# Altium PCB PCB4.PcbDoc (part 4 of 12)
Units mil, origin at the board's own origin, x right, y up, seen from the top; angles counter-clockwise.
Board outline 9204.7 x 4350.39 mil, 4 copper layers (Top Layer, Layer 1, Layer 2, Bottom Layer), stack 23.756 mil thick; 1824 components, 1732 nets, 6090 pads, 1022 vias.
Unrouted connection lines stored in the file: 2463.
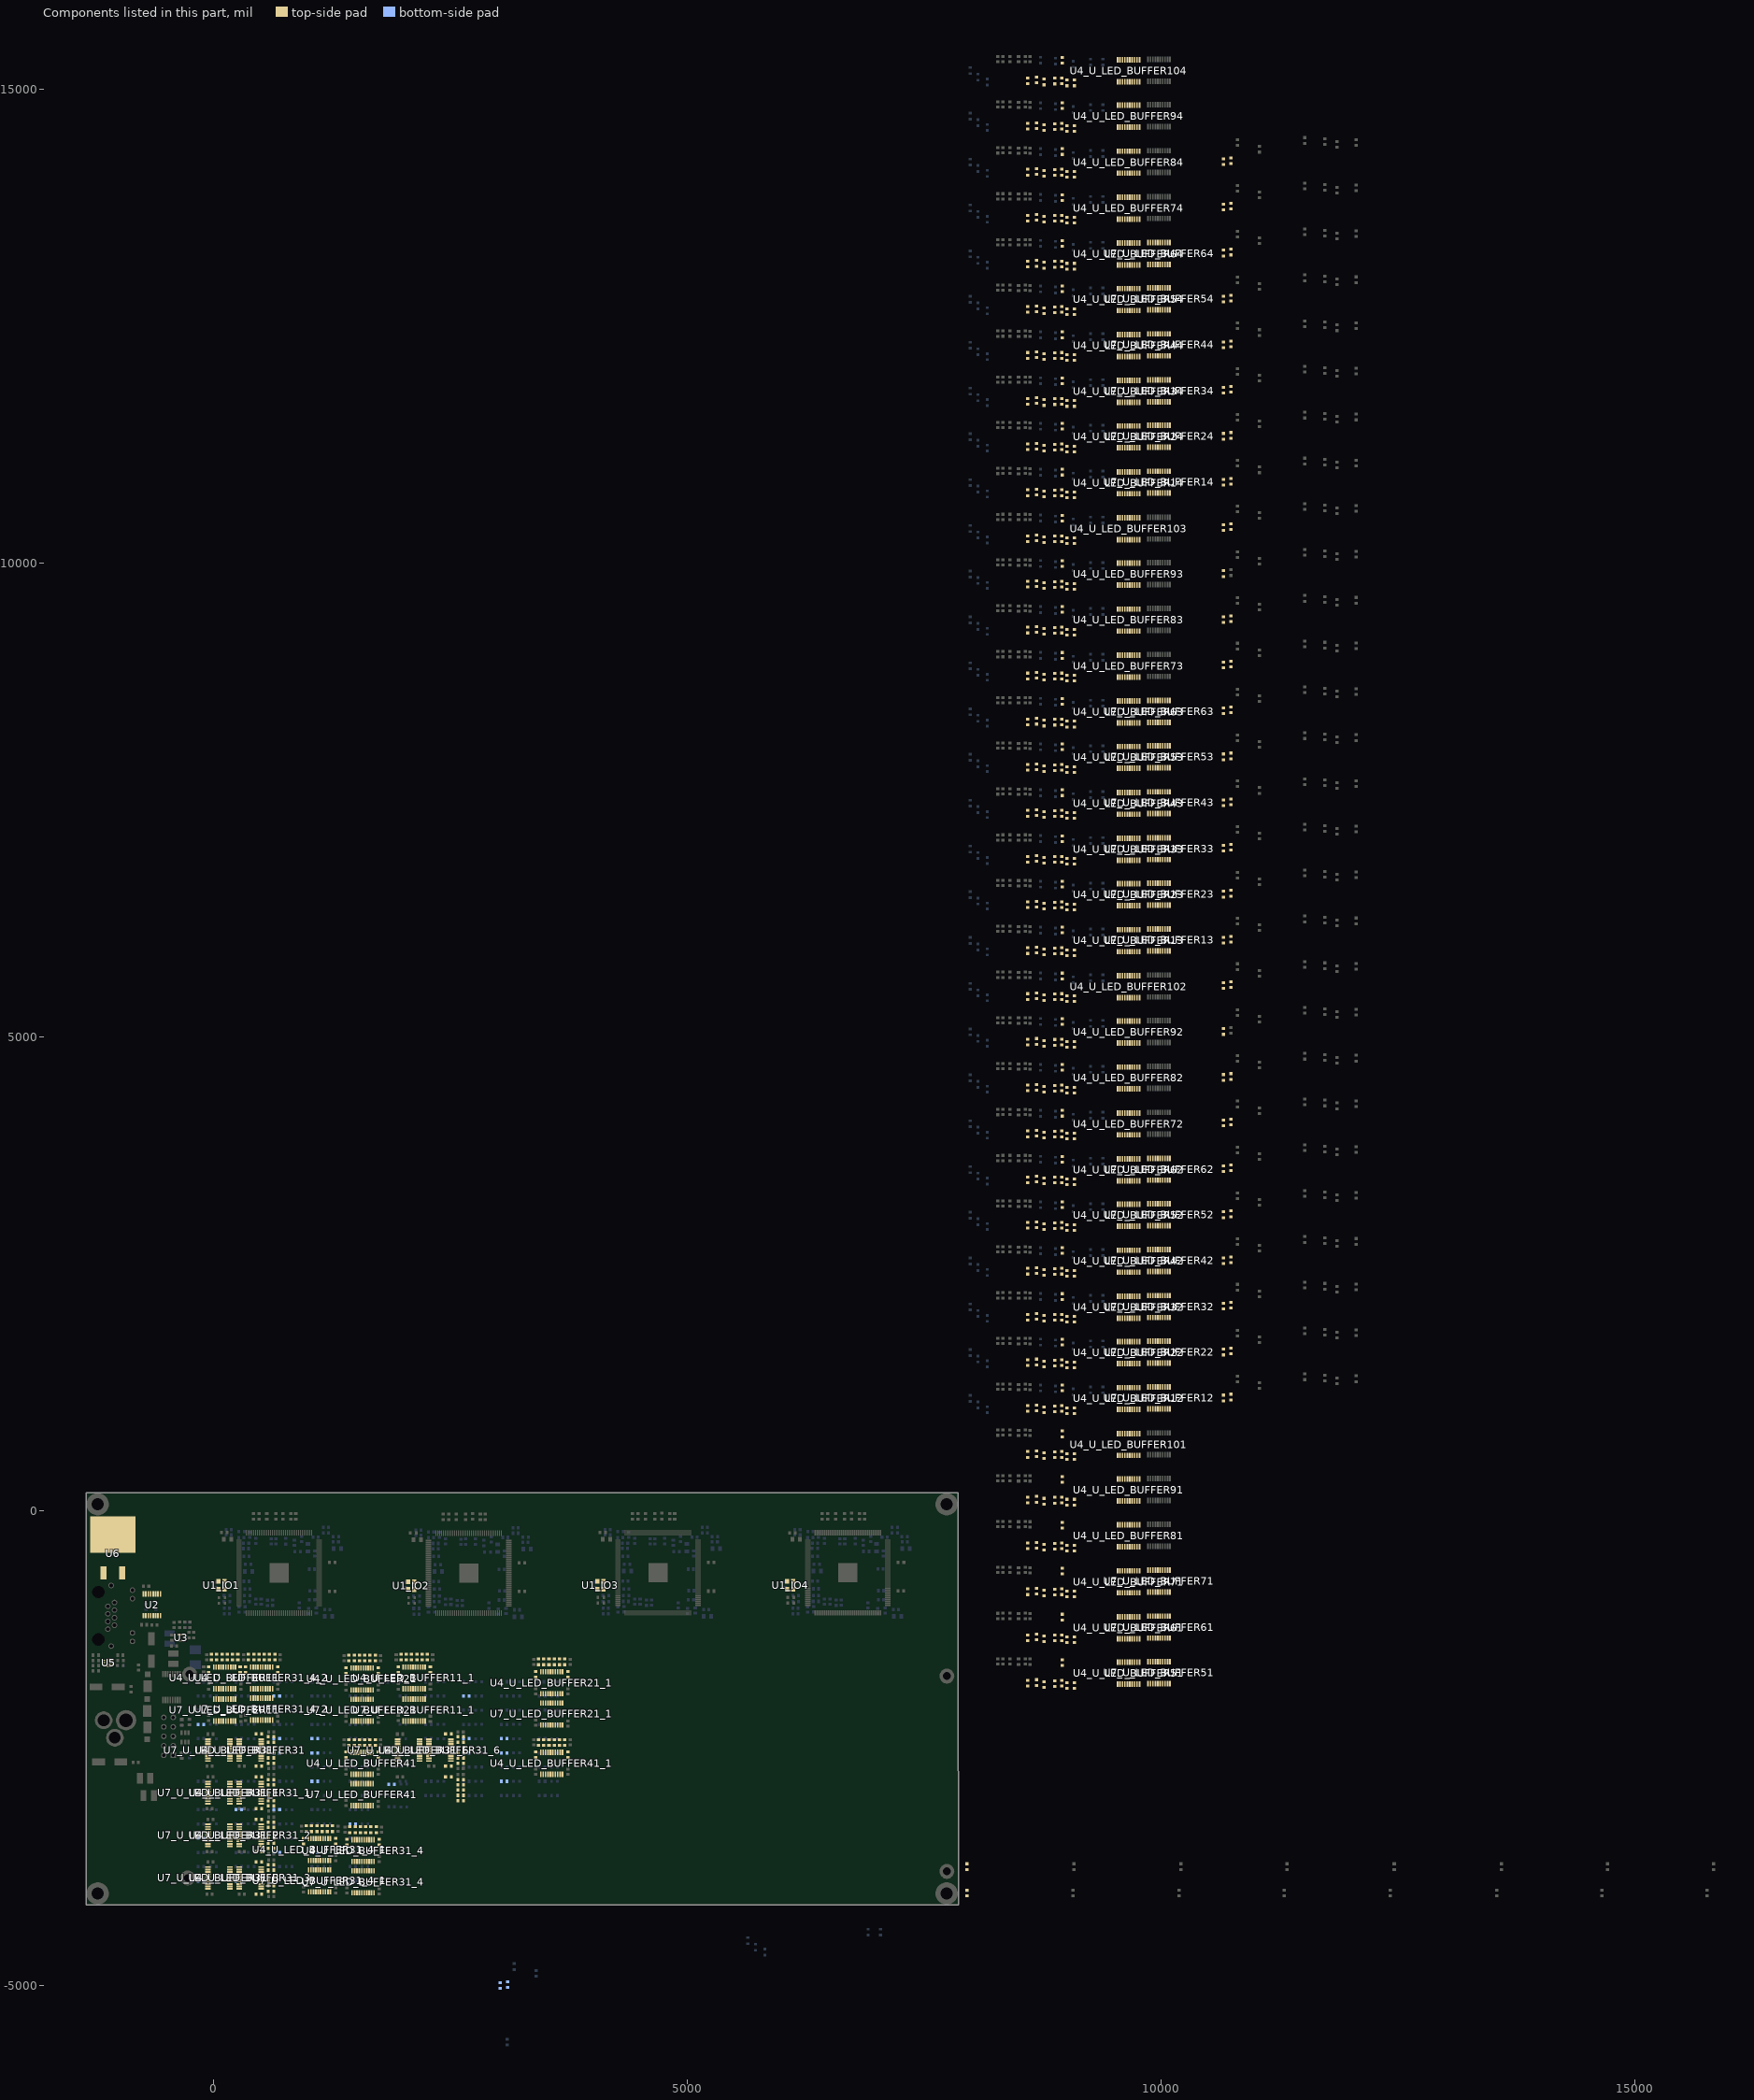
[diagram p6: the components of this part, seen from the top]

## Components (designator, comment, footprint, x,y, rotation, side; value= is the part's Value field where it differs from the comment) (continued)
R45_U_LED_BUFFER23 "330R" 0603R 10736.74,5554.69 r90 top (schematic designator R45)
R45_U_LED_BUFFER24 "330R" 0603R 10736.74,10385.39 r90 top (schematic designator R45)
R45_U_LED_BUFFER31 "330R" 0603R 670,-2400 r0 bottom (schematic designator R45)
R45_U_LED_BUFFER31_1 "330R" 0603R 2670,-2400 r0 bottom (schematic designator R45)
R45_U_LED_BUFFER32 "330R" 0603R 10736.74,1204.31 r90 top (schematic designator R45)
R45_U_LED_BUFFER33 "330R" 0603R 10736.74,6035.01 r90 top (schematic designator R45)
R45_U_LED_BUFFER34 "330R" 0603R 10736.74,10865.71 r90 top (schematic designator R45)
R45_U_LED_BUFFER41 "330R" 0603R 1070,-2550 r0 bottom (schematic designator R45)
R45_U_LED_BUFFER41_1 "330R" 0603R 3070,-2550 r0 bottom (schematic designator R45)
R45_U_LED_BUFFER42 "330R" 0603R 10736.74,1688.56 r90 top (schematic designator R45)
R45_U_LED_BUFFER43 "330R" 0603R 10736.74,6519.26 r90 top (schematic designator R45)
R45_U_LED_BUFFER44 "330R" 0603R 10736.74,11349.96 r90 top (schematic designator R45)
R45_U_LED_BUFFER51 "330R" 0603R 1070,-2850 r0 bottom (schematic designator R45)
R45_U_LED_BUFFER51_1 "330R" 0603R 3070,-2850 r0 bottom (schematic designator R45)
R45_U_LED_BUFFER52 "330R" 0603R 10736.74,2172.81 r90 top (schematic designator R45)
R45_U_LED_BUFFER53 "330R" 0603R 10736.74,7003.51 r90 top (schematic designator R45)
R45_U_LED_BUFFER54 "330R" 0603R 10736.74,11834.21 r90 top (schematic designator R45)
R45_U_LED_BUFFER61 "330R" 0603R 270,-3150 r0 bottom (schematic designator R45)
R45_U_LED_BUFFER62 "330R" 0603R 10736.74,2653.12 r90 top (schematic designator R45)
R45_U_LED_BUFFER63 "330R" 0603R 10736.74,7483.82 r90 top (schematic designator R45)
R45_U_LED_BUFFER64 "330R" 0603R 10736.74,12314.52 r90 top (schematic designator R45)
R45_U_LED_BUFFER71 "330R" 0603R 1470,-3300 r0 bottom (schematic designator R45)
R45_U_LED_BUFFER72 "330R" 0603R 10736.74,3137.38 r90 top (schematic designator R45)
R45_U_LED_BUFFER73 "330R" 0603R 10736.74,7968.07 r90 top (schematic designator R45)
R45_U_LED_BUFFER74 "330R" 0603R 10736.74,12798.77 r90 top (schematic designator R45)
R45_U_LED_BUFFER81 "330R" 0603R 670,-3600 r0 bottom (schematic designator R45)
R45_U_LED_BUFFER82 "330R" 0603R 10736.74,3621.63 r90 top (schematic designator R45)
R45_U_LED_BUFFER83 "330R" 0603R 10736.74,8452.32 r90 top (schematic designator R45)
R45_U_LED_BUFFER84 "330R" 0603R 10736.74,13283.02 r90 top (schematic designator R45)
R45_U_LED_BUFFER91 "330R" 0603R -130,-3900 r0 bottom (schematic designator R45)
R45_U_LED_BUFFER92 "330R" 0603R 10736.74,4105.88 r90 top (schematic designator R45)
R45_U_LED_BUFFER93 "330R" 0603R 10736.74,8936.58 r90 top (schematic designator R45)
R45_U_LED_BUFFER94 "330R" 0603R 10736.74,13767.27 r90 top (schematic designator R45)
R45_U_LED_BUFFER101 "330R" 0603R 3106.74,-4994.51 r90 bottom (schematic designator R45)
R45_U_LED_BUFFER102 "330R" 0603R 10736.74,4586.19 r90 top (schematic designator R45)
R45_U_LED_BUFFER103 "330R" 0603R 10736.74,9416.89 r90 top (schematic designator R45)
R45_U_LED_BUFFER104 "330R" 0603R 10736.74,14247.59 r90 top (schematic designator R45)
R46_U_LED_BUFFER11 "330R" 0603R 670,-1950 r0 bottom (schematic designator R46)
R46_U_LED_BUFFER11_1 "330R" 0603R 2670,-1950 r0 bottom (schematic designator R46)
R46_U_LED_BUFFER12 "330R" 0603R 7950,-4030 r90 top (schematic designator R46)
R46_U_LED_BUFFER13 "330R" 0603R 10656.74,5060.44 r90 top (schematic designator R46)
R46_U_LED_BUFFER14 "330R" 0603R 10656.74,9891.14 r90 top (schematic designator R46)
R46_U_LED_BUFFER21 "330R" 0603R -130,-2250 r0 bottom (schematic designator R46)
R46_U_LED_BUFFER22 "330R" 0603R 7950,-3750 r90 top (schematic designator R46)
R46_U_LED_BUFFER23 "330R" 0603R 10656.74,5544.69 r90 top (schematic designator R46)
R46_U_LED_BUFFER24 "330R" 0603R 10656.74,10375.39 r90 top (schematic designator R46)
R46_U_LED_BUFFER31 "330R" 0603R 1070,-2400 r0 bottom (schematic designator R46)
R46_U_LED_BUFFER31_1 "330R" 0603R 3070,-2400 r0 bottom (schematic designator R46)
R46_U_LED_BUFFER32 "330R" 0603R 10656.74,1194.31 r90 top (schematic designator R46)
R46_U_LED_BUFFER33 "330R" 0603R 10656.74,6025.01 r90 top (schematic designator R46)
R46_U_LED_BUFFER34 "330R" 0603R 10656.74,10855.71 r90 top (schematic designator R46)
R46_U_LED_BUFFER41 "330R" 0603R 670,-2550 r0 bottom (schematic designator R46)
R46_U_LED_BUFFER41_1 "330R" 0603R 2670,-2550 r0 bottom (schematic designator R46)
R46_U_LED_BUFFER42 "330R" 0603R 10656.74,1678.56 r90 top (schematic designator R46)
R46_U_LED_BUFFER43 "330R" 0603R 10656.74,6509.26 r90 top (schematic designator R46)
R46_U_LED_BUFFER44 "330R" 0603R 10656.74,11339.96 r90 top (schematic designator R46)
R46_U_LED_BUFFER51 "330R" 0603R 1880,-2880 r0 bottom (schematic designator R46)
R46_U_LED_BUFFER52 "330R" 0603R 10656.74,2162.81 r90 top (schematic designator R46)
R46_U_LED_BUFFER53 "330R" 0603R 10656.74,6993.51 r90 top (schematic designator R46)
R46_U_LED_BUFFER54 "330R" 0603R 10656.74,11824.21 r90 top (schematic designator R46)
R46_U_LED_BUFFER61 "330R" 0603R 670,-3150 r0 bottom (schematic designator R46)
R46_U_LED_BUFFER62 "330R" 0603R 10656.74,2643.12 r90 top (schematic designator R46)
R46_U_LED_BUFFER63 "330R" 0603R 10656.74,7473.82 r90 top (schematic designator R46)
R46_U_LED_BUFFER64 "330R" 0603R 10656.74,12304.52 r90 top (schematic designator R46)
R46_U_LED_BUFFER71 "330R" 0603R -130,-3450 r0 bottom (schematic designator R46)
R46_U_LED_BUFFER72 "330R" 0603R 10656.74,3127.38 r90 top (schematic designator R46)
R46_U_LED_BUFFER73 "330R" 0603R 10656.74,7958.07 r90 top (schematic designator R46)
R46_U_LED_BUFFER74 "330R" 0603R 10656.74,12788.77 r90 top (schematic designator R46)
R46_U_LED_BUFFER81 "330R" 0603R 1070,-3600 r0 bottom (schematic designator R46)
R46_U_LED_BUFFER82 "330R" 0603R 10656.74,3611.63 r90 top (schematic designator R46)
R46_U_LED_BUFFER83 "330R" 0603R 10656.74,8442.32 r90 top (schematic designator R46)
R46_U_LED_BUFFER84 "330R" 0603R 10656.74,13273.02 r90 top (schematic designator R46)
R46_U_LED_BUFFER91 "330R" 0603R 270,-3900 r0 bottom (schematic designator R46)
R46_U_LED_BUFFER92 "330R" 0603R 10656.74,4095.88 r90 top (schematic designator R46)
R46_U_LED_BUFFER93 "330R" 0603R 10656.74,8926.58 r90 top (schematic designator R46)
R46_U_LED_BUFFER94 "330R" 0603R 10656.74,13757.27 r90 top (schematic designator R46)
R46_U_LED_BUFFER101 "330R" 0603R 3026.74,-5004.51 r90 bottom (schematic designator R46)
R46_U_LED_BUFFER102 "330R" 0603R 10656.74,4576.19 r90 top (schematic designator R46)
R46_U_LED_BUFFER103 "330R" 0603R 10656.74,9406.89 r90 top (schematic designator R46)
R46_U_LED_BUFFER104 "330R" 0603R 10656.74,14237.59 r90 top (schematic designator R46)
R47_U_LED_BUFFER11 "33R" 0603R 283.27,-1671.82 r270 top (schematic designator R47)
R47_U_LED_BUFFER11_1 "33R" 0603R 2290,-1670 r270 top (schematic designator R47)
R47_U_LED_BUFFER12 "33R" 0603R 9086.74,1059.74 r90 top (schematic designator R47)
R47_U_LED_BUFFER13 "33R" 0603R 9086.74,5890.44 r90 top (schematic designator R47)
R47_U_LED_BUFFER14 "33R" 0603R 9086.74,10721.14 r90 top (schematic designator R47)
R47_U_LED_BUFFER21 "33R" 0603R 1740,-1680 r270 top (schematic designator R47)
R47_U_LED_BUFFER21_1 "33R" 0603R 3740,-1720 r270 top (schematic designator R47)
R47_U_LED_BUFFER22 "33R" 0603R 9086.74,1543.99 r90 top (schematic designator R47)
R47_U_LED_BUFFER23 "33R" 0603R 9086.74,6374.69 r90 top (schematic designator R47)
R47_U_LED_BUFFER24 "33R" 0603R 9086.74,11205.39 r90 top (schematic designator R47)
R47_U_LED_BUFFER31 "33R" 0603R 480,-2690 r180 top (schematic designator R47)
R47_U_LED_BUFFER31_1 "33R" 0603R 480,-3140 r180 top (schematic designator R47)
R47_U_LED_BUFFER31_2 "33R" 0603R 480,-3590 r180 top (schematic designator R47)
R47_U_LED_BUFFER31_3 "33R" 0603R 480,-4040 r180 top (schematic designator R47)
R47_U_LED_BUFFER31_4 "33R" 0603R 1750,-3490 r270 top (schematic designator R47)
R47_U_LED_BUFFER31_4_1 "33R" 0603R 1290,-3480 r270 top (schematic designator R47)
R47_U_LED_BUFFER31_4_2 "33R" 0603R 680,-1670 r270 top (schematic designator R47)
R47_U_LED_BUFFER31_6 "33R" 0603R 2480,-2690 r180 top (schematic designator R47)
R47_U_LED_BUFFER32 "33R" 0603R 9086.74,2024.31 r90 top (schematic designator R47)
R47_U_LED_BUFFER33 "33R" 0603R 9086.74,6855.01 r90 top (schematic designator R47)
R47_U_LED_BUFFER34 "33R" 0603R 9086.74,11685.71 r90 top (schematic designator R47)
R47_U_LED_BUFFER41 "33R" 0603R 1740,-2570 r270 top (schematic designator R47)
R47_U_LED_BUFFER41_1 "33R" 0603R 3740,-2570 r270 top (schematic designator R47)
R47_U_LED_BUFFER42 "33R" 0603R 9086.74,2508.56 r90 top (schematic designator R47)
R47_U_LED_BUFFER43 "33R" 0603R 9086.74,7339.26 r90 top (schematic designator R47)
R47_U_LED_BUFFER44 "33R" 0603R 9086.74,12169.96 r90 top (schematic designator R47)
R47_U_LED_BUFFER51 "33R" 0603R 9086.74,-1837.89 r90 top (schematic designator R47)
R47_U_LED_BUFFER52 "33R" 0603R 9086.74,2992.81 r90 top (schematic designator R47)
R47_U_LED_BUFFER53 "33R" 0603R 9086.74,7823.51 r90 top (schematic designator R47)
R47_U_LED_BUFFER54 "33R" 0603R 9086.74,12654.21 r90 top (schematic designator R47)
R47_U_LED_BUFFER61 "33R" 0603R 9086.74,-1357.57 r90 top (schematic designator R47)
R47_U_LED_BUFFER62 "33R" 0603R 9086.74,3473.12 r90 top (schematic designator R47)
R47_U_LED_BUFFER63 "33R" 0603R 9086.74,8303.82 r90 top (schematic designator R47)
R47_U_LED_BUFFER64 "33R" 0603R 9086.74,13134.52 r90 top (schematic designator R47)
R47_U_LED_BUFFER71 "33R" 0603R 9086.74,-873.32 r90 top (schematic designator R47)
R47_U_LED_BUFFER72 "33R" 0603R 9086.74,3957.38 r90 top (schematic designator R47)
R47_U_LED_BUFFER73 "33R" 0603R 9086.74,8788.07 r90 top (schematic designator R47)
R47_U_LED_BUFFER74 "33R" 0603R 9086.74,13618.77 r90 top (schematic designator R47)
R47_U_LED_BUFFER81 "33R" 0603R 9086.74,-389.07 r90 top (schematic designator R47)
R47_U_LED_BUFFER82 "33R" 0603R 9086.74,4441.63 r90 top (schematic designator R47)
R47_U_LED_BUFFER83 "33R" 0603R 9086.74,9272.32 r90 top (schematic designator R47)
R47_U_LED_BUFFER84 "33R" 0603R 9086.74,14103.02 r90 top (schematic designator R47)
R47_U_LED_BUFFER91 "33R" 0603R 9086.74,95.18 r90 top (schematic designator R47)
R47_U_LED_BUFFER92 "33R" 0603R 9086.74,4925.88 r90 top (schematic designator R47)
R47_U_LED_BUFFER93 "33R" 0603R 9086.74,9756.58 r90 top (schematic designator R47)
R47_U_LED_BUFFER94 "33R" 0603R 9086.74,14587.27 r90 top (schematic designator R47)
R47_U_LED_BUFFER101 "33R" 0603R 9086.74,575.49 r90 top (schematic designator R47)
R47_U_LED_BUFFER102 "33R" 0603R 9086.74,5406.19 r90 top (schematic designator R47)
R47_U_LED_BUFFER103 "33R" 0603R 9086.74,10236.89 r90 top (schematic designator R47)
R47_U_LED_BUFFER104 "33R" 0603R 9086.74,15067.59 r90 top (schematic designator R47)
R48_U_LED_BUFFER11 "33R" 0603R 258.89,-1540 r270 top (schematic designator R48)
R48_U_LED_BUFFER11_1 "33R" 0603R 2258.89,-1540 r270 top (schematic designator R48)
R48_U_LED_BUFFER12 "33R" 0603R 9006.74,1059.74 r90 top (schematic designator R48)
R48_U_LED_BUFFER13 "33R" 0603R 9006.74,5890.44 r90 top (schematic designator R48)
R48_U_LED_BUFFER14 "33R" 0603R 9006.74,10721.14 r90 top (schematic designator R48)
R48_U_LED_BUFFER21 "33R" 0603R 1708.89,-1550 r270 top (schematic designator R48)
R48_U_LED_BUFFER21_1 "33R" 0603R 3708.89,-1590 r270 top (schematic designator R48)
R48_U_LED_BUFFER22 "33R" 0603R 9006.74,1543.99 r90 top (schematic designator R48)
R48_U_LED_BUFFER23 "33R" 0603R 9006.74,6374.69 r90 top (schematic designator R48)
R48_U_LED_BUFFER24 "33R" 0603R 9006.74,11205.39 r90 top (schematic designator R48)
R48_U_LED_BUFFER31 "33R" 0603R 610,-2658.89 r180 top (schematic designator R48)
R48_U_LED_BUFFER31_1 "33R" 0603R 610,-3108.89 r180 top (schematic designator R48)
R48_U_LED_BUFFER31_2 "33R" 0603R 610,-3558.89 r180 top (schematic designator R48)
R48_U_LED_BUFFER31_3 "33R" 0603R 610,-4008.89 r180 top (schematic designator R48)
R48_U_LED_BUFFER31_4 "33R" 0603R 1718.89,-3360 r270 top (schematic designator R48)
R48_U_LED_BUFFER31_4_1 "33R" 0603R 1258.89,-3350 r270 top (schematic designator R48)
R48_U_LED_BUFFER31_4_2 "33R" 0603R 648.89,-1540 r270 top (schematic designator R48)
R48_U_LED_BUFFER31_6 "33R" 0603R 2610,-2658.89 r180 top (schematic designator R48)
R48_U_LED_BUFFER32 "33R" 0603R 9006.74,2024.31 r90 top (schematic designator R48)
R48_U_LED_BUFFER33 "33R" 0603R 9006.74,6855.01 r90 top (schematic designator R48)
R48_U_LED_BUFFER34 "33R" 0603R 9006.74,11685.71 r90 top (schematic designator R48)
R48_U_LED_BUFFER41 "33R" 0603R 1708.89,-2440 r270 top (schematic designator R48)
R48_U_LED_BUFFER41_1 "33R" 0603R 3708.89,-2440 r270 top (schematic designator R48)
R48_U_LED_BUFFER42 "33R" 0603R 9006.74,2508.56 r90 top (schematic designator R48)
R48_U_LED_BUFFER43 "33R" 0603R 9006.74,7339.26 r90 top (schematic designator R48)
R48_U_LED_BUFFER44 "33R" 0603R 9006.74,12169.96 r90 top (schematic designator R48)
R48_U_LED_BUFFER51 "33R" 0603R 9006.74,-1837.89 r90 top (schematic designator R48)
R48_U_LED_BUFFER52 "33R" 0603R 9006.74,2992.81 r90 top (schematic designator R48)
R48_U_LED_BUFFER53 "33R" 0603R 9006.74,7823.51 r90 top (schematic designator R48)
R48_U_LED_BUFFER54 "33R" 0603R 9006.74,12654.21 r90 top (schematic designator R48)
R48_U_LED_BUFFER61 "33R" 0603R 9006.74,-1357.57 r90 top (schematic designator R48)
R48_U_LED_BUFFER62 "33R" 0603R 9006.74,3473.12 r90 top (schematic designator R48)
R48_U_LED_BUFFER63 "33R" 0603R 9006.74,8303.82 r90 top (schematic designator R48)
R48_U_LED_BUFFER64 "33R" 0603R 9006.74,13134.52 r90 top (schematic designator R48)
R48_U_LED_BUFFER71 "33R" 0603R 9006.74,-873.32 r90 top (schematic designator R48)
R48_U_LED_BUFFER72 "33R" 0603R 9006.74,3957.38 r90 top (schematic designator R48)
R48_U_LED_BUFFER73 "33R" 0603R 9006.74,8788.07 r90 top (schematic designator R48)
R48_U_LED_BUFFER74 "33R" 0603R 9006.74,13618.77 r90 top (schematic designator R48)
R48_U_LED_BUFFER81 "33R" 0603R 9006.74,-389.07 r90 top (schematic designator R48)
R48_U_LED_BUFFER82 "33R" 0603R 9006.74,4441.63 r90 top (schematic designator R48)
R48_U_LED_BUFFER83 "33R" 0603R 9006.74,9272.32 r90 top (schematic designator R48)
R48_U_LED_BUFFER84 "33R" 0603R 9006.74,14103.02 r90 top (schematic designator R48)
R48_U_LED_BUFFER91 "33R" 0603R 9006.74,95.18 r90 top (schematic designator R48)
R48_U_LED_BUFFER92 "33R" 0603R 9006.74,4925.88 r90 top (schematic designator R48)
R48_U_LED_BUFFER93 "33R" 0603R 9006.74,9756.58 r90 top (schematic designator R48)
R48_U_LED_BUFFER94 "33R" 0603R 9006.74,14587.27 r90 top (schematic designator R48)
R48_U_LED_BUFFER101 "33R" 0603R 9006.74,575.49 r90 top (schematic designator R48)
R48_U_LED_BUFFER102 "33R" 0603R 9006.74,5406.19 r90 top (schematic designator R48)
R48_U_LED_BUFFER103 "33R" 0603R 9006.74,10236.89 r90 top (schematic designator R48)
R48_U_LED_BUFFER104 "33R" 0603R 9006.74,15067.59 r90 top (schematic designator R48)
R49_U_LED_BUFFER11 "33R" 0603R 203.33,-1540 r270 top (schematic designator R49)
R49_U_LED_BUFFER11_1 "33R" 0603R 2203.33,-1540 r270 top (schematic designator R49)
R49_U_LED_BUFFER12 "33R" 0603R 8953.75,1082.57 r90 top (schematic designator R49)
R49_U_LED_BUFFER13 "33R" 0603R 8953.75,5913.27 r90 top (schematic designator R49)
R49_U_LED_BUFFER14 "33R" 0603R 8953.75,10743.96 r90 top (schematic designator R49)
R49_U_LED_BUFFER21 "33R" 0603R 1653.33,-1550 r270 top (schematic designator R49)
R49_U_LED_BUFFER21_1 "33R" 0603R 3653.33,-1590 r270 top (schematic designator R49)
R49_U_LED_BUFFER22 "33R" 0603R 8953.75,1566.82 r90 top (schematic designator R49)
R49_U_LED_BUFFER23 "33R" 0603R 8953.75,6397.52 r90 top (schematic designator R49)
R49_U_LED_BUFFER24 "33R" 0603R 8953.75,11228.22 r90 top (schematic designator R49)
R49_U_LED_BUFFER31 "33R" 0603R 610,-2603.33 r180 top (schematic designator R49)
R49_U_LED_BUFFER31_1 "33R" 0603R 610,-3053.33 r180 top (schematic designator R49)
R49_U_LED_BUFFER31_1_1 "33R" 0603R 2610,-3053.33 r180 top (schematic designator R49)
R49_U_LED_BUFFER31_2 "33R" 0603R 610,-3503.33 r180 top (schematic designator R49)
R49_U_LED_BUFFER31_3 "33R" 0603R 610,-3953.33 r180 top (schematic designator R49)
R49_U_LED_BUFFER31_4 "33R" 0603R 1663.33,-3360 r270 top (schematic designator R49)
R49_U_LED_BUFFER31_4_1 "33R" 0603R 1203.33,-3350 r270 top (schematic designator R49)
R49_U_LED_BUFFER31_4_2 "33R" 0603R 593.33,-1540 r270 top (schematic designator R49)
R49_U_LED_BUFFER31_6 "33R" 0603R 2610,-2603.33 r180 top (schematic designator R49)
R49_U_LED_BUFFER32 "33R" 0603R 8953.75,2047.13 r90 top (schematic designator R49)
R49_U_LED_BUFFER33 "33R" 0603R 8953.75,6877.83 r90 top (schematic designator R49)
R49_U_LED_BUFFER34 "33R" 0603R 8953.75,11708.53 r90 top (schematic designator R49)
R49_U_LED_BUFFER41 "33R" 0603R 1653.33,-2440 r270 top (schematic designator R49)
R49_U_LED_BUFFER41_1 "33R" 0603R 3653.33,-2440 r270 top (schematic designator R49)
R49_U_LED_BUFFER42 "33R" 0603R 8953.75,2531.38 r90 top (schematic designator R49)
R49_U_LED_BUFFER43 "33R" 0603R 8953.75,7362.08 r90 top (schematic designator R49)
R49_U_LED_BUFFER44 "33R" 0603R 8953.75,12192.78 r90 top (schematic designator R49)
R49_U_LED_BUFFER51 "33R" 0603R 8953.75,-1815.07 r90 top (schematic designator R49)
R49_U_LED_BUFFER52 "33R" 0603R 8953.75,3015.63 r90 top (schematic designator R49)
R49_U_LED_BUFFER53 "33R" 0603R 8953.75,7846.33 r90 top (schematic designator R49)
R49_U_LED_BUFFER54 "33R" 0603R 8953.75,12677.03 r90 top (schematic designator R49)
R49_U_LED_BUFFER61 "33R" 0603R 8953.75,-1334.75 r90 top (schematic designator R49)
R49_U_LED_BUFFER62 "33R" 0603R 8953.75,3495.95 r90 top (schematic designator R49)
R49_U_LED_BUFFER63 "33R" 0603R 8953.75,8326.65 r90 top (schematic designator R49)
R49_U_LED_BUFFER64 "33R" 0603R 8953.75,13157.35 r90 top (schematic designator R49)
R49_U_LED_BUFFER71 "33R" 0603R 8953.75,-850.5 r90 top (schematic designator R49)
R49_U_LED_BUFFER72 "33R" 0603R 8953.75,3980.2 r90 top (schematic designator R49)
R49_U_LED_BUFFER73 "33R" 0603R 8953.75,8810.9 r90 top (schematic designator R49)
R49_U_LED_BUFFER74 "33R" 0603R 8953.75,13641.6 r90 top (schematic designator R49)
R49_U_LED_BUFFER81 "33R" 0603R 8953.75,-366.25 r90 top (schematic designator R49)
R49_U_LED_BUFFER82 "33R" 0603R 8953.75,4464.45 r90 top (schematic designator R49)
R49_U_LED_BUFFER83 "33R" 0603R 8953.75,9295.15 r90 top (schematic designator R49)
R49_U_LED_BUFFER84 "33R" 0603R 8953.75,14125.85 r90 top (schematic designator R49)
R49_U_LED_BUFFER91 "33R" 0603R 8953.75,118 r90 top (schematic designator R49)
R49_U_LED_BUFFER92 "33R" 0603R 8953.75,4948.7 r90 top (schematic designator R49)
R49_U_LED_BUFFER93 "33R" 0603R 8953.75,9779.4 r90 top (schematic designator R49)
R49_U_LED_BUFFER94 "33R" 0603R 8953.75,14610.1 r90 top (schematic designator R49)
R49_U_LED_BUFFER101 "33R" 0603R 8953.75,598.32 r90 top (schematic designator R49)
R49_U_LED_BUFFER102 "33R" 0603R 8953.75,5429.01 r90 top (schematic designator R49)
R49_U_LED_BUFFER103 "33R" 0603R 8953.75,10259.71 r90 top (schematic designator R49)
R49_U_LED_BUFFER104 "33R" 0603R 8953.75,15090.41 r90 top (schematic designator R49)
R50_U_LED_BUFFER11 "33R" 0603R 147.78,-1540 r270 top (schematic designator R50)
R50_U_LED_BUFFER11_1 "33R" 0603R 2147.78,-1540 r270 top (schematic designator R50)
R50_U_LED_BUFFER12 "33R" 0603R 8876.74,1079.74 r90 top (schematic designator R50)
R50_U_LED_BUFFER13 "33R" 0603R 8876.74,5910.44 r90 top (schematic designator R50)
R50_U_LED_BUFFER14 "33R" 0603R 8876.74,10741.14 r90 top (schematic designator R50)
R50_U_LED_BUFFER21 "33R" 0603R 1597.78,-1550 r270 top (schematic designator R50)
R50_U_LED_BUFFER21_1 "33R" 0603R 3597.78,-1590 r270 top (schematic designator R50)
R50_U_LED_BUFFER22 "33R" 0603R 8876.74,1563.99 r90 top (schematic designator R50)
R50_U_LED_BUFFER23 "33R" 0603R 8876.74,6394.69 r90 top (schematic designator R50)
R50_U_LED_BUFFER24 "33R" 0603R 8876.74,11225.39 r90 top (schematic designator R50)
R50_U_LED_BUFFER31 "33R" 0603R 610,-2547.78 r180 top (schematic designator R50)
R50_U_LED_BUFFER31_1 "33R" 0603R 610,-2997.78 r180 top (schematic designator R50)
R50_U_LED_BUFFER31_1_1 "33R" 0603R 2610,-2997.78 r180 top (schematic designator R50)
R50_U_LED_BUFFER31_2 "33R" 0603R 610,-3447.78 r180 top (schematic designator R50)